# Allegro board 08_038702e.brd (continued)
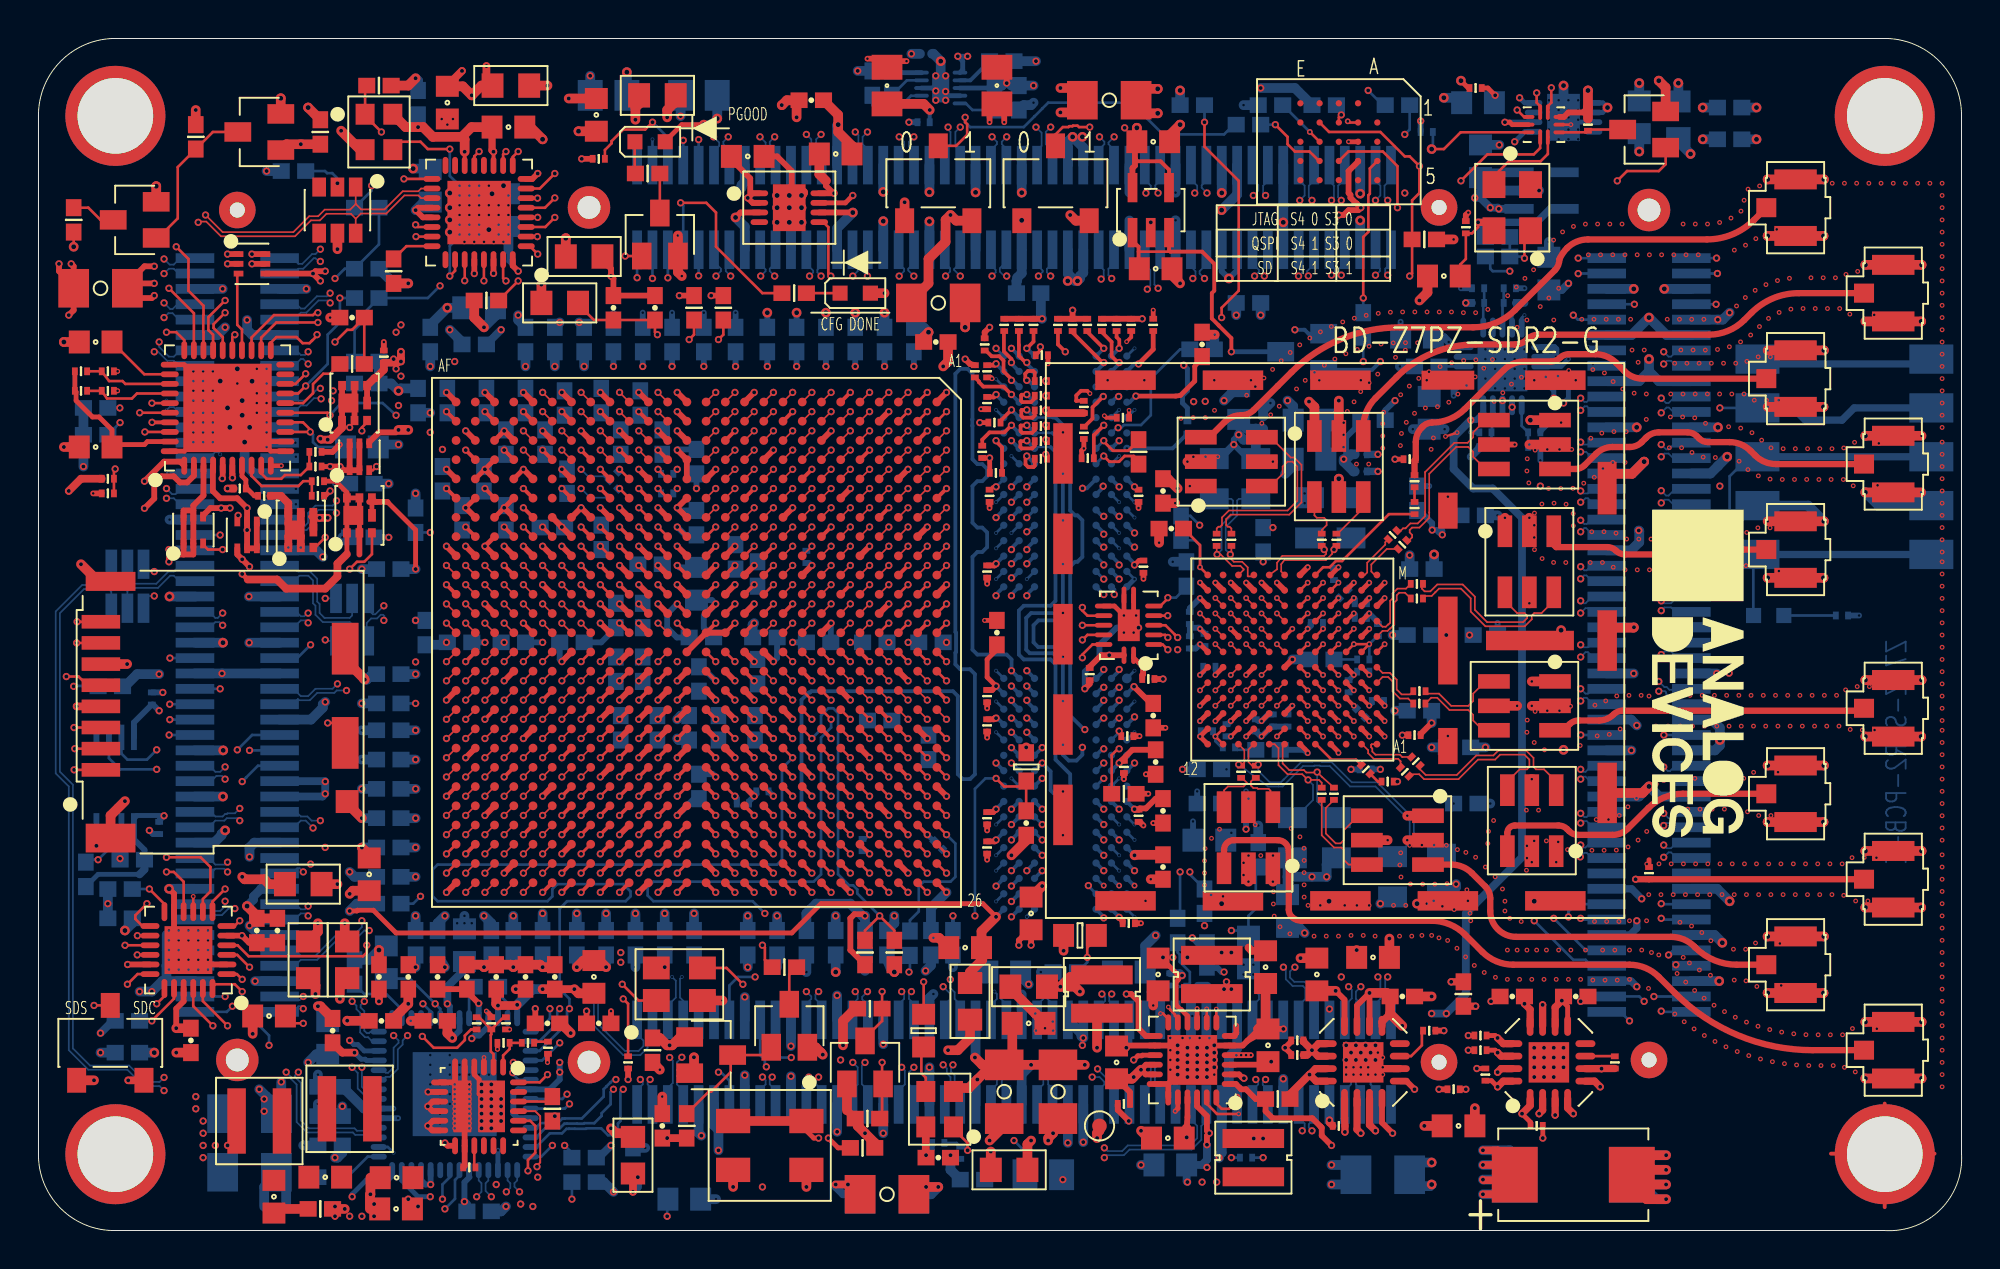
[diagram p0: board, top side]
## Nets (continued)
UNNAMED_8_CAP_I263_N1: C53.1(N1) T4.6(SEC_DOT)
UNNAMED_8_CAP_I264_N1: C56.1(N1) T4.4(SEC)
UNNAMED_8_CAP_I265_N1: C51.1(N1) T2.6(SEC_DOT)
UNNAMED_8_CAP_I266_N1: C52.1(N1) T2.4(SEC)
UNNAMED_8_CAP_I272_N2: C29.2(N2) T6.6(SEC_DOT)
UNNAMED_8_CAP_I273_N2: C30.2(N2) T6.4(SEC)
UNNAMED_8_CAP_I284_N2: C35.2(N2) T8.4(SEC)
UNNAMED_8_CAP_I285_N2: C34.2(N2) T8.6(SEC_DOT)
UNNAMED_8_CNBNC3P_I244_CNTR: RX1A.1(CNTR) T1.3(PRI_DOT)
UNNAMED_8_CNBNC3P_I245_CNTR: RX2A.1(CNTR) T3.3(PRI_DOT)
UNNAMED_8_CNBNC3P_I246_CNTR: T5.3(PRI_DOT) TX1A.1(CNTR)
UNNAMED_8_CNBNC3P_I247_CNTR: T7.3(PRI_DOT) TX2A.1(CNTR)
UNNAMED_8_CNBNC3P_I254_CNTR: RX1B.1(CNTR) T2.3(PRI_DOT)
UNNAMED_8_CNBNC3P_I261_CNTR: RX2B.1(CNTR) T4.3(PRI_DOT)
UNNAMED_8_CNBNC3P_I278_CNTR: T6.3(PRI_DOT) TX1B.1(CNTR)
UNNAMED_8_CNBNC3P_I290_CNTR: T8.3(PRI_DOT) TX2B.1(CNTR)
UNNAMED_8_CNBNC3P_I292_CNTR: R1.1(N1) R101.1(N1) TXM1.1(CNTR)
UNNAMED_8_CNBNC3P_I294_CNTR: R2.1(N1) R102.1(N1) TXM2.1(CNTR)
UNNAMED_8_ICFXL4T245_I328_T: R59.1(N1) U22.6(T/R_N)
UNNAMED_9_ADP238X_I1088_BST: C253.2(N2) U18.15(BST)
UNNAMED_9_ADP238X_I1088_COMP: C255.1(N1) C256.1(N1) U18.1(COMP)
UNNAMED_9_ADP238X_I1088_RT: R78.1(N1) U18.22(RT)
UNNAMED_9_ADP238X_I1088_SS: C252.1(N1) U18.24(SS)
UNNAMED_9_ADP238X_I1088_SW1: C253.1(N1) L301.1(N1) U18.5(SW1) U18.6(SW2) U18.7(SW3) U18.14(SW4) U18.PAD2(SW5)
UNNAMED_9_ADP238X_I1088_VREG: C254.1(N1) U18.3(VREG)
UNNAMED_9_ADP1754_I1076_SS: C311.1(N1) U19.7(SS)
UNNAMED_9_ADP1754_I1077_SS: C340.1(N1) U20.7(SS)
UNNAMED_9_CAP_I1113_N1: C257.1(N1) C305.1(N1) L13.1(N1) L301.2(N2)
UNNAMED_9_CAP_I1113_N2: C257.2(N2) R80.1(N1)
UNNAMED_9_CAP_I1135_N2: C255.2(N2) R79.1(N1)
UNNAMED_9_DIOLED_I1083_N: D3.C(N) R113.1(N1)
UNNAMED_9_RES_I987_N2: Q14.3(D) R113.2(N2)
UNNAMED_10_AD7291_I1_AS0: R65.2(N2) R66.1(N1) U24.11(AS0)
UNNAMED_10_AD7291_I1_AS1: R63.2(N2) R64.1(N1) U24.13(AS1)
UNNAMED_10_AD7291_I1_DCAP: C133.1(N1) U24.8(DCAP)
UNNAMED_10_AD7291_I1_VIN3: R67.2(N2) R68.1(N1) U24.1(VIN3)
UNNAMED_10_AD7291_I1_VIN6: R61.2(N2) R62.1(N1) U24.4(VIN6)
UNNAMED_10_AD7291_I1_VREF: C158.1(N1) U24.7(VREF)
UNNAMED_10_ADG772_I61_D1: C216.1(N1) U5.2(D1)
UNNAMED_10_ADG772_I61_IN1: Q6.3(D) R33.2(N2) U5.4(IN1)
UNNAMED_10_ADG772_I61_S1B: U5.3(S1B) Y4.3(OUT)
UNNAMED_10_ADM7160_I78_VOUT: C5.1(N1) C113.1(N1) R55.1(N1) U8.5(VOUT) Y4.4(VDD)
UNNAMED_10_CN10PAB_I48_N5A: P1.A5(N5A) P1.B5(N5B)
UNNAMED_10_DIOLED_I52_N: DS1.C(N) R75.1(N1)
UNNAMED_10_RES_I53_N2: R54.2(N2) R55.2(N2) Y4.1(E/D)
USB_ID: JX3.63(N7) U15.23(ID)
USB_OTG_CPEN: JX3.70(N10) U15.17(CPEN)
USB_OTG_N: JX3.69(N10) U15.19(DM) U16.6(I/O4)
USB_OTG_P: JX3.67(N9) U15.18(DP) U16.1(I/O1)
USB_VBUS_OTG: JX3.68(N9) U15.22(VBUS)
V_0_N: JX3.3(N2) U1.P13(VN_0)
V_0_P: JX3.1(N1) U1.N14(VP_0)
VH: C247.1(N1) D1.3(N3) U7.10(VH) U23.1(VIN) U23.3(EN)
VTT_0P75: C79.1(N1) C80.1(N1) C101.1(N1) R136.2(N2) R137.2(N2) R138.2(N2) R139.2(N2) R140.2(N2) R141.2(N2) R143.2(N2) R144.2(N2) R145.2(N2) R146.2(N2) R147.2(N2) R148.2(N2) R149.2(N2) R150.2(N2) R151.2(N2) R152.2(N2) R153.2(N2) R154.2(N2) R155.2(N2) R156.2(N2) R159.2(N2) R160.2(N2) R161.1(N1) R162.2(N2) R163.2(N2) U14.3(VTT) U24.2(VIN4)
VTTVREF: C76.1(N1) C77.1(N1) C81.1(N1) C84.1(N1) C102.1(N1) C103.1(N1) C122.2(N2) C123.2(N2) U1.K21(PS_DDR_VREF0_502) U1.M21(PS_DDR_VREF1_502) U2.H1(VREFDQ) U2.M8(VREFCA) U3.H1(VREFDQ) U3.M8(VREFCA) U14.6(VTTREF) U24.3(VIN5)

Pads without a net: JX2 100; JX4 81 82; U1 AA5 AA6 AC1 AC2 AE1 AE2 AF3 AF4 AF7 AF8 W5 W6; U2 J1 J9 L1 L9 M7; U3 J1 J9 L1 L9 M7; U6 4 7; U7 19 20; U8 4; U9 4; U10 9 12 29 31 32; U13 A2 A3 A5 B1 B5 C1 C3 C5 D1 D5 E1 E2 E3 E4 E5; U15 12 15 16 25; U16 3 4; U17 A3 G1 M3 M11; U18 23; U19 8; U20 8; U21 5; U24 12

## Via types
v1: diameter 0.381, hole 0.203, TOP to BOTTOM, 1845 vias
v2: diameter 0.254, hole 0.127, TOP to L2_GND, 944 vias
v3: diameter 0.381, hole 0.203, L2_GND to L19_GND, 168 vias
v4: diameter 0.203, hole 0.127, L19_GND to BOTTOM, 239 vias
v5: diameter 0.508, hole 0.254, TOP to BOTTOM, 158 vias
v6: diameter 0.305, hole 0.152, TOP to BOTTOM, 125 vias

## Routing (per net, layer and track width the routed paths; a pad name or vN(x,y) marks a point on that pad's centre or on a via; arc(x,y) is an arc through that point)
0.95V: length 48.4
  TOP w0.203: U1.V16 v1(29.22,27.59) ; U1.L15 v1(37.22,28.59) ; U1.M12 v1(36.22,32.59) ; U1.U15 v1(30.22,28.59) ; U1.P16 v1(33.22,27.59) ; U1.T14 v1(31.22,29.59) ; U1.T16 v1(31.22,27.59) ; U1.L11 v1(37.22,33.59) ; U1.U11 v1(30.22,33.59) ; U1.R15 v1(32.22,28.59) ; U1.N11 v1(35.22,33.59) ; U1.L13 v1(37.22,31.59) ; U1.T12 v1(31.22,32.59) ; U1.M16 v1(36.22,27.59) ; U1.R11 v1(32.22,33.59) ; U1.N15 v1(35.22,28.59) ; U1.U13 v1(30.22,31.59) ; U1.P12 v1(33.22,32.59)
  TOP w0.254: R303.2 v2(24.5,10.46)
  TOP w0.305: U7.1 7.37,39.99 6.53,39.99 v1(5.51,38.97)
  TOP w0.406: v1(75.11,1.89) 76.38,1.89 76.76,2.27 C44.P ; v1(75.11,4.17) 75.87,4.17 76.76,3.28 C44.P ; C258.1 42.22,2.39 v1(42.09,2.39) v1(41.45,2.39) ; C44.P 76.76,2.9 ; 76.76,2.9 76.51,2.9 76.22,2.61 75.14,2.61 v1(75.11,2.65) ; 76.76,2.9 76.25,3.41 v1(75.11,3.41)
  L2_GND w0.254: v2(24.5,10.46) v3(23.99,10.46)
  BOTTOM w0.305: C140.1 37.37,28.43 v1(37.22,28.59) ; v1(31.22,32.59) 31.25,32.62 C151.1 ; C150.1 29.26,30.59 C142.1 30.02,31.4 v1(30.22,31.59) ; C148.1 34.49,29.32 v1(35.22,28.59) ; C149.1 33.2,30.84 32.69,31.35 32.69,32.06 v1(33.22,32.59) ; C156.1 v1(26.21,30.59)
  BOTTOM w0.406: C44.P 76.76,2.9 ; v1(42.09,2.39) 42.22,2.39 C258.1 41.84,1.89 41.45,2.27 v1(41.45,2.39) v1(42.09,2.39)
  BOTTOM w0.508: 76.76,2.9 76.38,2.9 ; 76.76,2.9 75.74,1.89 v1(75.11,1.89) ; 76.76,2.9 76.76,2.91 76.76,3.92 76.51,4.17 v1(75.11,4.17) ; 76.38,2.9 75.87,3.41 v1(75.11,3.41) ; 76.38,2.9 76.25,2.9 76,2.65 v1(75.11,2.65) ; v1(51.49,12.81) 51.07,13.23 C194.1 ; C152.1 37.14,31.51 v1(37.22,31.59) ; C195.1 57.55,14.8 v1(58.09,15.35)
  vias: v1(8.18,6.97) v1(8.18,6.33) v1(8.56,5.7) v1(8.56,5.06) v1(8.56,4.43) v1(8.56,3.79) v1(9.2,4.43) v1(9.83,4.43) v3(0.94,21.95) v3(0.94,21.32) v3(0.94,20.68) v3(0.94,20.05) v3(0.94,19.41) v3(1.07,38.97) v3(1.07,37.57) v3(1.07,36.81) v3(1.07,14.33) v3(1.07,13.7) v3(1.07,13.06) v3(1.07,12.43) v3(1.07,11.79) v3(1.07,11.16) v3(1.07,10.52) v3(1.45,27.67) v3(1.45,26.78) v3(1.58,39.48) v3(1.58,31.1) v3(1.7,29.7) v3(2.21,13.06) v3(2.21,12.43) v3(2.21,11.79) v3(2.21,11.16) v3(2.21,10.52) v3(3.99,37.57) v3(5.39,22.08) v3(58.35,16.87) v3(58.35,15.98) v3(59.87,17.25) v3(59.87,16.75) v3(62.16,17.89) v3(62.16,17.25) v3(62.79,17.63) v3(63.81,17.89) v3(63.81,17.25) v3(64.44,17.89) v3(64.44,17.25)
1.0V: length 117.7
  TOP w0.254: C67.1 58.38,14.17 59.23,13.32 59.25,13.32 59.3,13.26 59.44,13.26 ; U4.10 59.75,11.16 59.41,11.49 59.38,11.49 59.16,11.72 59.16,12.92 59.26,13.02 59.26,13.09 59.44,13.26 ; v1(59.46,13.26) 59.44,13.26
  TOP w0.305: v1(5.51,37.56) 6.02,38.07 6.02,38.84 6.4,39.22 7.04,39.22 7.35,38.91 7.74,38.91 8.08,39.25 U7.2
  TOP w0.508: v1(54.15,12.43) 53.9,12.68 v1(53.14,12.68) ; v1(53.14,12.68) 53.65,13.19 55.19,13.19 L5.2 ; v1(53.14,12.68) E4.1
  L4_SIG w0.254: v3(5.89,16.36) 5.89,14.71 6.66,13.95 6.66,8.49 7.16,7.98 7.16,6.97 7.55,6.59 7.55,3.41 8.56,2.39 17.83,2.39 19.74,0.49 31.68,0.49 32.44,1.25 33.07,1.25 33.58,0.74 57.2,0.74 v3(58.85,2.39)
  L6_SIG w0.508: v3(5.89,16.36) 6.66,16.36 7.8,17.51 7.8,21.95 6.66,23.1 5.77,23.1 5.39,23.48 5.39,35.8 5.51,35.92 v1(5.51,37.56)
  L7_SIG w0.254: v1(59.46,13.26) 59.11,12.91 59.11,11.41 58.73,11.03 58.73,8.49 58.6,8.36 58.6,5.82 58.85,5.57 v3(58.85,2.39)
  BOTTOM w0.381: v1(53.14,12.68) 53.9,12.68 v1(54.15,12.43)
  BOTTOM w0.406: v1(59.46,13.26) 59.35,13.38 R23.2
  vias: v1(58.47,14.21) v1(58.98,14.21)
1.8V: length 62.4
  TOP w0.254: C347.1 75.55,7.79 v1(75.87,7.47) ; v1(77.14,6.08) 77.59,5.63 C310.1
  TOP w0.305: v1(10.09,39.15) 10.09,39.35 10.08,39.35 U7.6 ; U4.22 60.25,6.46 60.76,5.95 60.76,5.19 v1(60.89,5.06) 60.76,4.93 v1(60.76,4.46)
  TOP w0.381: v1(78.03,6.08) 78.21,6.26 U20.2 ; U19.15 66.4,8.42 v1(66.09,8.11) 66.43,7.77 U19.16 ; U19.2 68.56,5.26 v1(68.76,5.06) ; U19.1 67.91,5.85 C318.1 v1(67.93,5.12) ; v1(77.14,6.08) 77.56,6.5 U20.1 ; U20.3 v1(78.86,6.01) ; v1(75.87,8.24) 76.05,8.42 U20.15 ; U19.3 69.21,5.5 v1(69.52,5.19) ; v1(75.87,7.47) 76.17,7.77 U20.16 ; E10.1 v1(74.73,11.67)
  TOP w0.406: 65.08,6.84 65.08,7.09 v1(66.09,8.11)
  TOP w0.508: v1(14.4,12.3) 14.4,12.74 E9.1 ; v1(29.77,5.32) 30.02,5.06 30.72,5.06 E14.1 ; C362.1 v1(74.69,6.37)
  L4_SIG w0.381: v1(10.09,39.15) 10.54,39.15
  L4_SIG w0.508: v1(14.4,12.3) 14.4,13.44 13.13,14.71 13.13,17.63 13.39,17.89 14.65,17.89 15.55,18.79 15.55,23.61 12.88,26.28 12.88,33.64 12.46,34.06 12.46,35.01 12.5,35.04 12.5,37.19 10.54,39.15
  L19_GND w0.406: 63.97,13.66 v3(63.97,13.86) 63.93,13.82 v4(63.17,13.82) v4(62.66,13.82) 62.66,13.57 ; 63.97,13.66 63.88,13.57 62.66,13.57 ; 63.97,13.66 v3(64.31,13.32) v4(63.17,13.32) v4(62.66,13.32) 62.66,13.57
  BOTTOM w0.406: v1(59.74,2.52) 59.7,2.56 C69.1 60.49,3.41 60.76,3.68 v1(60.76,4.46)
  vias: v1(60.5,2.52) v1(60.76,3.28) v1(61.27,2.52)
1.8V_EN: length 121.2
  TOP w0.14: U4.24 61.25,6.61 61.52,6.33 61.9,6.33 v2(62.03,6.46) ; v1(14.53,47.73) 14.4,47.73 14.28,47.61 12.24,47.61 11.08,46.44 U7.23
  L2_GND w0.203: v2(62.03,6.46) v3(61.52,6.46)
  L18_SIG w0.095: v1(14.53,47.73) 12.75,45.96 8.94,45.96 7.29,44.3 4.62,44.3 3.61,43.29 3.61,41 4.75,39.86 4.75,31.22 3.61,30.08 3.61,21.7 2.63,20.72 2.63,18.23 2.97,17.89 2.97,13.06 6.66,9.38 6.66,8.36 7.04,7.98 9.07,7.98 11.86,5.19 14.91,5.19 19.33,0.77 31.8,0.77 32.15,1.12 33.33,1.12 33.68,0.77 60.41,0.77 62.41,2.78 62.41,5.57 v3(61.52,6.46)
1.35V: length 77.3
  TOP w0.254: U4.9 v2(60.25,11.53)
  TOP w0.305: v1(9.56,39.11) 9.58,39.13 U7.5
  TOP w0.406: 62.92,14.71 63.08,14.55 C68.1
  TOP w0.508: E2.1 51.42,4.49 v1(51.61,4.68) ; E3.1 48.44,10.01 47.8,9.38 v1(47.3,9.38) ; R24.2 v1(53.3,14.55)
  L2_GND w0.254: v2(60.25,11.53) v3(59.75,11.53)
  L4_SIG w0.305: 8.95,39.11 v1(9.56,39.11)
  L4_SIG w0.406: 59.75,11.95 59.7,11.99 59.7,12.68 59.76,12.73 59.76,12.76 60.1,13.1 60.12,13.1
  L4_SIG w0.508: v3(31.68,1.63) 31.42,1.38 29.01,1.38 28.65,1.02 27.34,1.02 26.21,2.14 25.71,2.14 25.29,2.56 25.23,2.56 24.63,3.16 16.94,3.16 14.78,5.32 11.36,5.32 8.18,8.49 8.18,11.79 7.67,12.3 7.67,18.4 8.31,19.03 8.31,38.46 8.95,39.11 ; v1(59.74,14.21) 60.12,13.82 60.12,13.1 ; 59.75,11.95 v3(59.75,11.53)
  L17_SIG w0.406: v1(51.61,4.68) 51.61,5.95 50.73,6.84 48.82,6.84 48.06,7.6 48.06,9 47.68,9.38 v1(47.3,9.38)
  vias: v1(61.52,14.46) v1(62.03,14.46)
3.3V: length 56.6
  TOP w0.254: C188.1 75.36,59.42 v1(75.74,59.04)
  TOP w0.305: U9.1 37.12,53.94 37.01,53.83 ; 37.01,53.83 v1(36.88,53.7) 37.14,53.44 U9.2 ; 37.01,53.83 37.01,54.72 36.03,55.7 C38.1 ; U5.6 79.32,57.91 79.55,58.15 80.32,58.15 80.57,58.4
  TOP w0.406: R34.1 2.21,39.1 v1(1.58,38.46)
  TOP w0.508: E8.1 33.14,58.72 32.69,58.27 v1(32.69,57.89) ; E15.1 11.99,18.02 11.74,18.27 10.72,18.27 v1(10.59,18.4) ; v1(15.93,15.98) 15.93,15.16 E16.1 ; E7.1 v1(26.47,59.54) ; R33.1 v5(80.57,59.29)
  L14_SIG w0.508: v1(15.93,15.98) 15.17,15.22 13.51,15.22 12.75,15.98 12.75,16.87 11.36,18.27 10.72,18.27 v1(10.59,18.4)
  L17_SIG w0.508: v1(1.58,38.46) 3.1,36.94 3.1,29.83 4.75,28.18 4.75,23.35 5.26,22.84 7.42,22.84 8.05,22.21 8.05,20.81 8.82,20.05 9.96,20.05 10.38,19.63 10.38,18.61 v1(10.59,18.4)
  BOTTOM w0.254: v1(76.76,56.62) 77.28,57.14 U6.5 ; v1(77.01,58.91) 77.28,58.64 U6.8
  BOTTOM w0.406: U8.3 75.26,55.03 C260.1 74.98,54 v1(74.69,53.7) 74.98,53.7 v1(75.49,53.19) 75.88,53.19 v1(75.94,53.13) U8.1
3.3V_EN: length 40.7
  TOP w0.14: v1(41.2,49.64) 41.07,49.77 41.07,52.18 40.81,52.44 U9.5 ; U7.27 9.08,46.58 8.84,46.83 8.84,47.5 v1(9.7,48.37)
  L6_SIG w0.095: v1(41.2,49.64) 40.69,49.13 37.39,49.13 35.74,47.48 30.53,47.48 29.39,46.34 18.34,46.34 17.45,45.45 15.04,45.45 14.28,46.21 13.39,46.21 11.23,48.37 v1(9.7,48.37)
3.3V_SEQ: length 5.2
  TOP w0.14: v1(3.99,39.61) 3.93,39.54 R34.2 R35.1 ; U7.38 v1(5.53,41.53)
  L17_SIG w0.095: v1(3.99,39.61) 5.53,41.15 v1(5.53,41.53)
3V3_I2C: length 168.1
  TOP w0.203: 57.01,55.73 57.14,55.61 58.35,55.61 58.79,55.17 U23.4
  TOP w0.254: R71.2 14.91,38.21 v1(15.17,38.46) ; v5(34.6,57.51) 33.45,57.51 32.6,56.66 32.6,56.62 D3.A
  TOP w0.305: U23.5 56.89,55.25 57.01,55.38 57.01,56.52 C248.1
  TOP w0.406: R69.2 v1(9.83,38.59)
  TOP w0.508: v5(57.11,57.35) C248.1
  L3_SIG w0.508: v1(2.34,39.73) 2.34,36.18 3.23,35.29 3.23,29.19 5.39,27.03 v1(6.28,27.03)
  L4_SIG w0.508: v1(2.34,39.73) 2.85,40.24 2.85,48.75 11.48,57.39 14.28,57.39 15.93,59.04 21.26,59.04 22.79,57.51 25.5,57.51 26.14,58.15 29.64,58.15 30.28,58.78 34.6,58.78 ; 34.6,58.78 v5(34.6,57.51) ; 34.6,58.78 35.23,59.42 43.11,59.42 44.25,58.27 45.52,58.27 46.14,57.65 46.68,57.65 47.04,58.02 47.3,58.02 48.06,58.78 55.04,58.78 v1(56.48,57.35) v5(57.11,57.35)
  L6_SIG w0.406: 61.9,54.59 62.28,54.21 62.28,52.94 63.93,51.29 72.57,51.29 73.59,50.27 73.59,48.5 73.84,48.24 v1(74.22,48.24) 74.73,48.24 75.11,48.62 77.27,48.62 77.65,48.24 78.54,48.24 ; 78.54,48.24 v1(79.55,49.26) ; 78.54,48.24 78.67,48.24 v3(79.17,47.73)
  L6_SIG w0.508: 61.9,54.59 59.87,54.59 v5(57.11,57.35) v1(56.48,57.35)
  L14_SIG w0.406: v1(2.34,39.73) 2.85,40.24 4.24,40.24 4.88,39.61 7.04,39.61 8.05,38.59 v1(9.83,38.59) 10.72,38.59 11.1,38.97 14.66,38.97 v1(15.17,38.46)
  L15_SIG w0.406: v1(74.22,48.24) 74.22,47.73 74.09,47.61 74.09,43.16 73.71,42.78 73.71,41.13 v3(74.09,40.75)
  L19_GND w0.305: v4(78.91,45.44) 78.91,46.71 79.17,46.97 v3(79.17,47.73)
  L19_GND w0.406: v1(74.22,48.24) 74.22,47.73 73.33,46.84 v4(73.33,46.21) ; v4(77.27,48.24) 78.67,48.24 v3(79.17,47.73) ; v4(74.47,40.24) 74.47,40.37 v3(74.09,40.75)
  BOTTOM w0.305: v1(6.28,27.03) 5.96,27.35 C244.2 4.96,26.42 U21.8 ; U24.10 73.6,45.94 v4(73.33,46.21)
  BOTTOM w0.33: U24.16 78.81,45.94 78.91,45.84 v4(78.91,45.44) U24.17
  BOTTOM w0.406: v4(74.47,40.24) 74.92,40.68 R61.1 ; C124.1 73.08,46.46 v4(73.33,46.21) ; C134.1 79.21,48.91 v1(79.55,49.26) ; v1(74.22,48.24) R65.1 ; R63.1 v4(77.27,48.24)
  BOTTOM w0.508: v1(2.34,39.73) R52.1 R51.1
GND: length 788.6
  TOP w0.127: v2(73.16,41.3) v2(73.76,41.5)
  TOP w0.14: 66,24.89 v6(66,24.83) ; v6(68.4,31.29) U17.H3 ; v6(67.6,24.84) 67.6,24.84 67.6,24.89 ; v6(66,31.29) U17.H6
  TOP w0.203: U1.V5 v1(29.22,39.59) ; v6(65.2,31.29) U17.H7 ; C122.1 v2(56.71,42.65)
  TOP w0.254: v6(67.6,34.49) U17.M4 ; R102.2 83.75,19.29 ; v6(69.2,25.69) U17.B2 ; R302.1 23.55,11.16 v2(23.29,11.41) ; v6(62.8,28.89) U17.F9 ; v5(73.97,59.8) 74.35,59.42 C188.2 ; U18.PAD1 22.91,7.11 22.91,7.86 22.66,8.11 U18.4 ; v6(61.2,26.49) U17.C11 ; U7.31 7.58,45.03 8.43,44.18 v2(8.56,44.18) v5(9.45,44.18) ; C256.2 v2(23.86,9.43) ; v6(60.4,32.89) U17.K12 ; C347.2 v1(74.79,8.43) ; v6(60.4,26.49) U17.C12 ; v1(78.22,4.81) C310.2 ; U7.11 12.08,40.53 v2(11.86,40.75) 11.58,41.03 U7.12 ; U1.AE6 v1(22.22,37.59) ; v6(62,26.49) U17.C10 ; v6(70,32.89) U17.K1 ; U17.A12 60.42,25.67 60.42,25.72 ; v6(60.4,33.69) U17.L12 ; U7.40 7.58,40.53 v2(8.05,41) ; R40.2 v2(4.12,43.67) ; U17.A6 66,24.89 ; v6(62,31.29) U17.H10 ; U1.AD3 v1(24.22,41.59) ; U22.9 55.95,32.48 v2(56.44,31.99) 56.44,31.99 U22.8 ; v6(70,26.49) U17.C1 ; U1.AC6 v1(24.22,37.59) U1.AD7 ; v6(69.2,32.89) U17.K2 ; v6(60.4,25.69) 60.42,25.72 ; 60.42,25.72 U17.B12 ; C344.2 v1(74.35,9.38) ; U5.10 76.63,57.51 76.51,57.64 v1(76.25,57.64) ; v6(69.2,33.69) U17.L2 ; R133.2 v2(52.49,45.08) ; C116.2 v2(57.96,47.86) ; R38.2 v2(4.12,44.69) ; C343.2 v1(74.35,10.14) ; R101.2 v1(70.54,40.11) ; v2(49.58,44.3) 49.52,44.37 C115.2 ; v6(68.4,28.89) U17.F3 ; v6(62.8,26.49) U17.C9 ; U13.B3 v2(68.12,56.62) ; v6(70,27.29) U17.D1 ; U17.A4 67.6,24.89 ; v6(65.2,27.29) U17.C7 ; v6(69.2,31.29) U17.H2 ; v6(67.6,26.49) U17.C4 ; 49.84,31.73 v2(49.2,31.73) ; v6(61.2,28.89) U17.F11 ; v6(70,25.69) U17.B1 ; v6(69.2,32.09) U17.J2 ; v6(60.4,30.49) U17.G12 ; v6(63.6,26.49) U17.C8 ; v6(60.4,27.29) U17.D12 ; U22.7 56.94,32.12 v2(57.08,31.99) ; U1.AD8 v1(23.22,35.59) ; U1.AD4 v1(23.22,39.59) U1.AE5 ; v6(68.4,33.69) U17.L3 ; v6(70,33.69) U17.L1 ; R79.2 26.47,9.17 26.47,9.13 v2(26.47,8.74) ; U1.AC5 v1(25.22,39.59) ; v6(69.2,26.49) U17.C2
  TOP w0.305: U1.AE3 v1(22.22,41.59) ; C337.2 71.87,25.83 v1(72.44,26.4) ; U18.12 20.48,5.21 v1(20.25,5.44) 20.51,5.71 U18.11 ; U1.F16 v1(42.22,27.59) ; 59.25,9.62 U4.14 56.09,9.62 C65.2 ; U1.T11 v1(31.22,33.59) ; C123.1 v2(57.25,25.71) ; U1.AB9 v1(25.22,35.59) ; U1.V1 v1(29.22,43.59) ; C88.2 v2(58.6,26.14) ; U1.AA3 v1(26.22,41.59) ; C196.2 v2(20.97,57.8) ; C196.2 v2(21.26,57.51) ; C196.2 v2(21.55,57.8) ; U1.Y7 v1(28.22,37.59) U1.W7 ; C89.2 v2(57.96,21.19) ; U1.L10 v1(37.22,34.59) ; v6(63.6,33.69) U17.L8 ; U1.P19 v1(33.22,24.59) ; v1(1.58,47.61) 1.83,47.86 C180.2 1.83,49.13 ; U1.W3 v1(28.22,41.59) ; C97.2 v2(49.33,25.64) ; U1.P11 v1(33.22,33.59) ; U17.F7 v1(65.2,29.7) ; R35.2 v2(2.85,38.34) ; v2(74.35,52.94) 74.22,52.81 C113.2 ; U1.AD1 v1(23.22,43.59) ; U1.T26 v1(31.22,17.59) ; U1.J7 v1(39.22,37.59) ; U11.2 8.55,13.84 v2(8.31,14.08) U11.PAD v2(7.29,15.09) 7.05,15.34 U11.11 7.05,17.52 v5(6.79,17.77) ; C102.2 v2(49.46,37.57) ; U1.U16 v1(30.22,27.59) ; U1.P3 v1(33.22,41.59) ; U1.Y8 v1(27.22,36.59) U1.AA7 ; U1.L12 v1(37.22,32.59) ; U1.D2 v1(44.22,42.59) ; U1.H10 v1(40.22,34.59) ; v2(72.55,17.15) M1.GND14 v2(74.33,17.15) ; v1(1.07,50.27) 1.07,49.89 1.83,49.13 ; U1.A21 v1(47.22,22.59) ; U1.AC3 v1(24.22,41.59) ; C96.2 v2(49.33,27.16) ; U1.D22 v1(44.22,21.59) ; U1.P17 v1(33.22,26.59) ; U1.N12 v1(35.22,32.59) ; U1.U7 v1(30.22,37.59) ; U1.AB1 v1(25.22,43.59) ; U18.10 20.5,6.21 v1(20.25,6.46) 20.5,6.71 U18.9 ; U9.6 42.34,52.94 v5(42.34,52.94) ; C245.2 v1(58.47,28.68) ; C95.2 57.27,21.25 v2(57.46,21.06) ; U1.G3 v1(41.22,41.59) ; U1.K24 v1(38.22,19.59) ; U1.L14 v1(37.22,29.59) ; U1.U18 v1(30.22,25.59) ; U1.L18 v1(37.22,25.59) ; U1.U10 v1(30.22,34.59) ; 39.17,53.32 39.17,55.1 38.41,55.86 C38.2 ; U1.Y5 v1(27.22,39.59) ; v2(43.11,60.94) 43.61,60.94 44.06,60.5 C81.2 44.12,60.56 44.38,60.81 v2(45.14,60.81) ; C314.2 65.14,9.82 v1(64.82,9.51) 65.14,9.19 C315.2 ; U1.V13 v1(29.22,31.59) ; 49.84,58.53 49.46,58.15 v2(49.46,57.64) ; 49.84,58.53 50.22,58.15 v2(50.22,57.64) ; 49.84,58.53 C79.2 ; U1.P22 v1(33.22,21.59) ; U1.M9 v1(36.22,35.59) ; U1.N25 v1(35.22,18.59) ; C117.2 v2(57.2,37.57) ; U1.Y14 v1(27.22,29.59) ; U1.G23 v1(41.22,20.59) ; U1.T17 v1(31.22,26.59) ; U1.N10 v1(35.22,34.59) ; v6(62.8,33.69) U17.L9 ; U1.R18 v1(32.22,25.59) ; U1.K4 v1(38.22,40.59) ; U1.T15 v1(31.22,28.59) ; v6(66,34.49) U17.M6 ; U1.R16 v1(32.22,27.59) ; v1(21.13,4.55) 21.28,4.41 U18.13 ; U9.3 36.51,52.94 v5(36.25,52.69) ; M1.GND19 78.63,30.68 v5(79.17,31.22) ; U1.AD12 v1(23.22,32.59) ; U1.C5 v1(45.22,39.59) ; v2(15.67,40.88) 15.29,40.49 R74.2 ; U1.V17 v1(29.22,26.59) ; U1.V7 v1(29.22,37.59) ; U1.M17 v1(36.22,26.59) ; U1.AA11 v1(26.22,33.59) ; U1.L16 v1(37.22,27.59) ; U1.AC15 v1(24.22,28.59) ; U1.C25 v1(45.22,18.59) ; M1.GND20 v2(73.29,25.72) ; U1.U23 v1(30.22,20.59) ; U1.R10 v1(32.22,34.59) ; U1.AD22 v1(23.22,21.59) ; U4.19 58.75,7.62 ; 58.75,7.62 U4.18 ; 58.75,7.62 v1(59.23,8.11) U4.PAD v1(60.25,9.13) 60.75,9.62 U4.5 62.62,9.62 62.87,9.87 ; U1.P9 v1(33.22,35.59) ; U1.AC7 v1(24.22,37.59) ; U18.8 v1(20.26,7.21) ; U1.T9 v1(31.22,35.59) ; U1.AC9 v1(24.22,35.59) ; U1.AE9 v1(22.22,35.59) ; C87.2 v2(57.58,23.73) ; U1.B8 v1(46.22,36.59) ; U1.AF16 v1(21.22,27.59) ; U1.M15 v1(36.22,28.59) ; U1.T5 v1(31.22,39.59) ; U1.U3 v1(30.22,41.59) ; v1(33.22,40.59) U1.P4 U1.P5 ; U1.F6 v1(42.22,38.59) ; U1.AC25 v1(24.22,18.59) ; U1.V20 v1(29.22,23.59) ; U1.P1 v1(33.22,43.59) ; U1.K14 v1(38.22,29.59) ; U1.AA9 v1(26.22,35.59) ; U1.R3 v1(32.22,41.59) ; U1.C15 v1(45.22,28.59) ; v6(62,33.69) U17.L10 ; U1.P6 v1(33.22,37.59) U1.P7 ; U1.AE7 v1(22.22,37.59) ; U1.F26 v1(42.22,17.59) ; C311.2 v1(73.08,10.4) ; U1.L1 v1(37.22,43.59) ; U1.T19 v1(31.22,24.59) ; U1.M19 v1(36.22,24.59) ; U1.H20 v1(40.22,23.59) ; 1.83,49.13 1.83,50.15 v1(1.7,50.27) ; T1.5 v2(76.76,40.88) ; C112.2 v2(49.01,42.72) ; U1.Y24 v1(27.22,19.59) ; 63.48,10.48 62.87,9.87 ; 62.87,9.87 C62.2 v1(64.73,10.48) ; U1.M11 v1(36.22,33.59) ; M1.GND11 v2(57.56,17.15) ; C91.2 v2(57.33,15.98) ; v6(61.2,33.69) U17.L11 ; U1.R7 v1(32.22,37.59) ; U1.A11 v1(47.22,33.59) ; U1.AF9 v1(21.22,35.59) ; C66.2 56.12,6.27 v1(56.69,5.7) ; U1.Y9 v1(27.22,35.59) ; U1.T1 v1(31.22,43.59) ; U1.N16 v1(35.22,27.59) ; U1.AF5 v1(21.22,39.59) ; U1.Y1 v1(27.22,43.59) ; U1.AD9 v1(23.22,35.59) ; C364.2 v2(17.96,46.21) ; U1.N5 v1(35.22,39.59) ; U1.U12 v1(30.22,32.59) ; U1.AB18 v1(25.22,25.59) ; C225.2 v2(29.77,11.41) ; C118.2 v2(57.46,33.89) ; U1.B18 v1(46.22,25.59) ; U1.AB5 v1(25.22,39.59) ; v1(54.41,28.18) 54.66,28.43 C246.2 ; U1.AD5 v1(23.22,39.59) ; v6(64.4,33.69) U17.L7 ; C103.2 v2(49.33,20.81) ; U1.J17 v1(39.22,26.59) ; U1.AA21 v1(26.22,22.59) ; U1.AF1 v1(21.22,43.59) ; U1.P2 v1(33.22,42.59) ; U1.R12 v1(32.22,32.59) ; U1.D12 v1(44.22,32.59) ; U1.L21 v1(37.22,22.59) ; C92.2 v2(49.33,19.29) ; C109.2 v2(49.33,33.64) ; U1.N18 v1(35.22,25.59) ; U1.E19 v1(43.22,24.59) ; C94.2 v2(56.44,23.48) ; U1.AF26 v1(21.22,17.59) ; U1.P15 v1(33.22,28.59) ; U1.T13 v1(31.22,31.59) ; R165.2 v2(57.71,22.71) ; U1.U14 v1(30.22,29.59) ; U1.E9 v1(43.22,35.59) ; U1.AE19 v1(22.22,24.59) ; U1.A1 v1(47.22,43.59) ; U1.G13 v1(41.22,31.59) ; M1.GND22 v2(73.29,38.16)
  TOP w0.381: U20.6 v1(81.28,8.42) 81.28,8.43 C340.2 ; v1(68.51,8.87) v1(69.01,8.87) 69.01,8.8 69.39,8.42 U19.6 ; C318.2 67.13,5.61 v1(67.13,5.74)
  TOP w0.508: v2(63.04,44.22) M1.GND4 v2(61.14,44.22) ; v5(92.82,51.72) TX1B.3 v5(89.91,51.72) ; T4.2 v2(77.65,27.29) ; C107.2 v2(59.11,37.83) ; v5(97.92,50.22) TX1A.2 v5(94.99,50.22) ; v1(16.05,10.92) 16.07,10.9 C203.2 ; T6.5 v2(64.19,39.99) ; v1(57.33,5.19) 57.71,4.81 C61.2 ; v1(84.63,3.16) 83.49,3.16 83.24,2.9 C44.N ; v5(92.82,42.83) TXM1.3 v2(89.91,42.83) ; v1(66.07,43.11) 66.35,42.83 T5.1 ; v2(57.5,44.22) M1.GND5 v2(55.6,44.22) ; C313.2 v1(65.62,14.17) ; C205.2 v1(1.32,40.75) ; v1(84.63,3.92) 83.75,3.92 82.85,3.03 C44.N ; C218.2 23.04,13.82 v1(23.17,13.7) 23.29,13.82 C73.2 24.56,13.82 v1(24.69,13.7) 24.82,13.82 C217.2 26.09,13.82 v1(26.21,13.7) 26.72,13.7 C63.2 ; v2(53.27,36.93) M1.GND7 v2(53.27,34.66) ; v1(84.63,2.39) 83.36,2.39 C44.N ; v2(97.92,41.33) RX1A.2 v5(94.99,41.33) ; C172.2 v5(48.19,46.97) ; v5(46.28,46.72) 46.03,46.46 46.03,46.21 ; v5(97.9,25.69) RX2B.3 v5(94.99,25.69) ; v2(53.27,41.51) M1.GND6 v2(53.27,39.36) ; 49.58,8.62 49.07,8.62 v1(48.69,9) ; 49.58,8.62 C138.2 ; 49.58,8.62 v1(48.82,7.86) 48.38,7.41 47.76,7.41 Y1.2 ; C165.2 v2(58.27,35.77) ; v5(92.82,12.35) TX2A.3 v5(89.91,12.35) ; C138.2 50.64,9.04 C191.2 ; C138.2 v1(51.61,8.62) C139.2 v1(54.41,8.62) ; C44.N 82.85,2.4 83.62,1.63 v1(84.63,1.63) ; T6.2 v2(59.74,39.99) ; v5(84.25,59.8) 84.61,59.44 Q6.2 ; J3.GND4 3.1,33.76 v1(2.21,34.65) ; v1(82.96,31.37) 82.94,31.35 81.97,31.35 81.57,30.95 M1.GND17 ; C120.2 41.58,58.02 v5(41.58,57.51) 41.58,57.13 42.31,56.41 C36.2 ; J3.GND2 16.05,22.21 v1(16.82,21.44) ; SW1.2A v1(39.93,2.27) ; U4.PAD v1(60.25,8.74) 60.5,8.62 v1(60.76,8.36) ; T5.5 v5(67.62,39.1) ; v5(97.92,7.91) TX2B.3 v5(94.99,7.91) ; C312.2 v1(70.25,15.18) ; v5(58.2,58.1) 57.31,58.1 57.06,58.36 57.06,58.99 ; v1(50.59,19.51) 51.36,20.28 C178.2 ; v2(66.6,44.22) M1.GND3 v2(68.76,44.22) ; T7.2 v2(71.17,20.3) ; T7.5 v2(70.16,20.3) ; v5(97.9,16.8) TXM2.3 v5(94.99,16.8) ; C320.2 v1(72.44,12.17) ; C193.2 51.62,17.34 v1(52.19,17.91) ; SW1.2B v1(36.12,2.27) ; v2(89.91,45.78) TXM1.2 v5(92.84,45.78) ; 57.06,58.99 57.44,59.37 v5(58.2,59.37) ; 57.06,58.99 57.08,58.97 C100.2 ; v1(29.52,13.7) 29.17,14.04 C58.2 28.34,14.04 v1(27.99,13.7) ; v1(27.67,10.27) 27.17,10.78 C50.2 ; v1(15.74,57.19) 16.72,56.21 Y3.2 ; C183.2 25.58,57.39 v5(26.21,56.75) ; v2(33.25,51.75) Q14.2 33.25,49.84 v2(33.45,49.64) ; v2(72.19,44.22) M1.GND2 74.35,44.22 ; v5(10.85,16.87) 11.36,16.36 C54.2 C55.2 ; T2.5 v2(77.52,32.62) ; E12.1 v5(27.42,51.61) ; C226.2 v2(19.36,10.9) ; T4.5 v2(76.89,27.29) ; S4.1 v1(45.04,53.48) ; C204.2 v5(1.32,46.21) ; v1(46.15,2.27) 45.9,2.27 C258.2 45.77,1.89 v1(46.15,2.27) ; v1(46.15,2.27) v1(46.79,2.27) ; 94.99,47.28 TX1A.3 v5(97.9,47.28) ; J3.GND3 15.95,29.68 16.92,28.71 16.92,28.7 v1(16.97,28.65) ; v2(89.91,36.89) RX1B.2 v5(92.84,36.89) ; S1.1 v1(2.89,7.81) ; C192.2 46.83,15.22 v2(46.53,15.22) ; v5(97.92,19.74) TXM2.2 v5(94.99,19.74) ; C248.2 58.82,56.97 v5(59.36,57.51) ; T8.1 v2(64.19,18.14) ; v2(79.94,44.22) M1.GND1 v2(77.78,44.22) ; J3.GND1 3.75,21.59 v1(4.5,22.33) ; C224.2 v2(32.44,6.97) ; v5(83.49,39.99) 82.86,39.35 81.84,39.35 81.57,39.08 M1.GND18 ; 17.26,2.75 v1(17.26,1.89) 17.24,1.86 17.24,1.12 ; C39.2 v1(47.42,3.92) ; T2.1 v2(76.25,37.07) ; v1(40.78,9.14) 40.69,9.23 40.69,9.25 40.41,9.53 Q3.2 ; v5(97.92,10.85) TX2B.2 v5(94.99,10.85) ; T1.1 v5(77.57,42.15) ; T1.2 v2(77.52,40.88) ; C62.2 63.43,10.48 63.81,10.87 C68.2 ; C59.2 v1(11.14,10.23) ; v5(97.92,28.63) RX2B.2 v5(94.99,28.63) ; v2(97.9,38.39) RX1A.3 v5(94.99,38.39) ; v2(53.27,22.84) M1.GND10 v2(53.27,20.56) ; v1(16.82,19.92) 17.2,19.54 C78.2 ; v2(57.96,11.7) 57.96,12.21 C67.2 ; C208.2 14.66,11.67 v1(14.53,11.67) ; v2(53.27,32.12) M1.GND8 v2(53.27,29.83) ; v5(89.91,33.94) RX1B.3 v5(92.82,33.94) ; v5(89.91,21.24) RX2A.3 v5(92.82,21.24) ; U16.5 v1(15.55,51.04) ; R80.2 v1(15.93,1.12) ; R191.2 v5(44.5,13.44) ; v5(89.91,24.19) RX2A.2 v5(92.84,24.19) ; v1(19.61,59.93) 19.23,59.54 R27.2 ; M1.GND16 83.41,22.76 v5(83.75,23.1) ; C197.2 v5(28.08,57.17) ; v1(71.81,48.37) 72.23,48.79 C5.2 ; v2(53.27,25.26) M1.GND9 v2(53.27,27.53) ; R13.2 v2(32.31,8.36) ; T8.5 v2(62.92,22.46) ; T7.1 v2(71.17,21.57) ; v2(61.16,46.59) 60.63,46.59 C106.2 ; Q4.2 v5(6.12,54.31) ; T6.1 v2(59.87,38.72) ; T2.2 v2(77.52,37.07) ; C86.2 v2(57.84,18.27) ; Y2.2 v2(35.57,11.96) ; T3.1 v2(78.92,19.16) ; T4.1 v2(77.65,28.56) ; C362.2 v1(72.06,5.44) ; T3.2 v2(77.65,19.16) ; v5(92.84,54.67) TX1B.2 v5(89.91,54.67) ; C49.2 v5(17.71,14.59) ; Q1.2 34.09,8.41 34.09,9.01 v1(34.08,9.01) ; Q2.2 v5(12.6,58.88) ; R176.2 v1(19.23,49.26) ; T8.2 v2(62.92,18.14) ; v1(59.36,49.26) 58.94,49.68 C247.2 ; v5(92.84,15.3) TX2A.2 v5(89.91,15.3) ; C41.2 v1(7.16,9.25) ; J3.6 v1(4.61,29.46) ; 59.25,9.62 v1(59.23,9.63) ; R14.2 v5(14.02,58.4) ; T5.2 v1(67.62,43.16) ; R119.2 v2(73.59,51.54) ; T3.5 v2(77.65,23.48) ; C209.2 v2(15.17,47.48) ; 39.17,53.32 v5(39.68,53.83) 39.76,53.98 v5(39.04,53.19) 39.17,53.32